# Altium PCB Evaluation Board.PcbDoc (part 13 of 22) (continued)
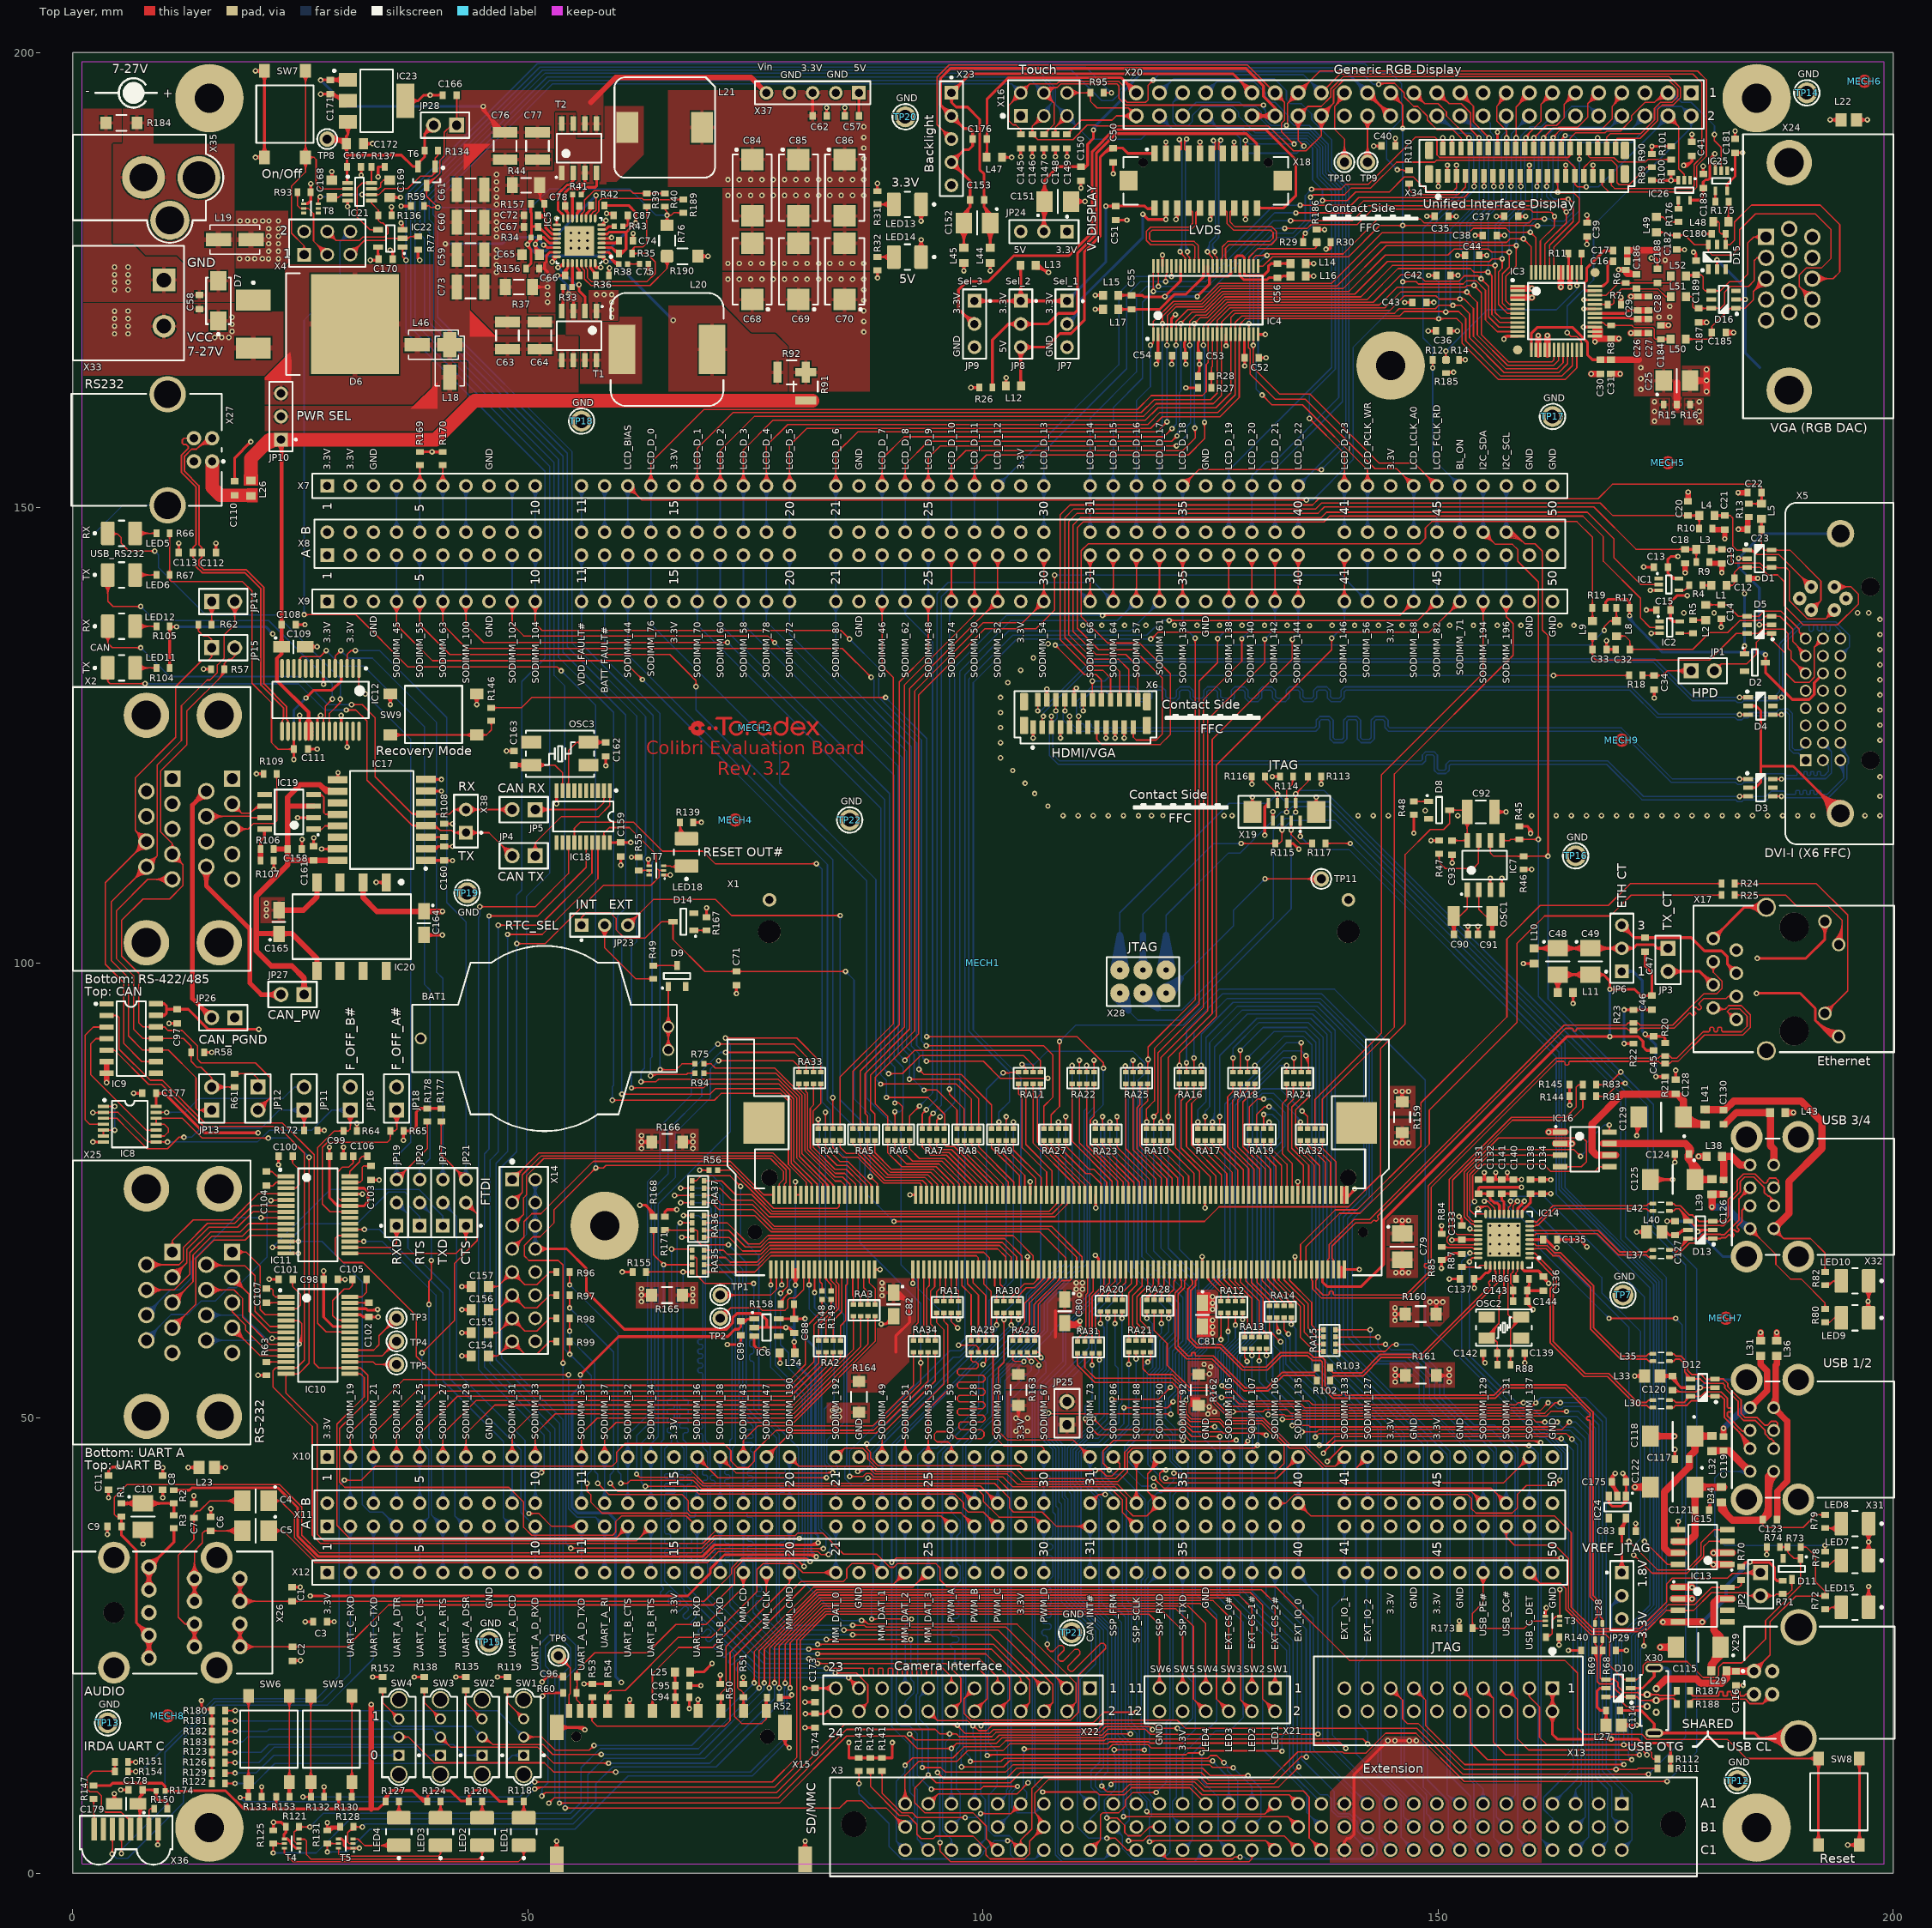
[diagram p0: Top Layer view]
## Nets (pads, with @x,y where several pads share a name; then routed paths per layer and width w, separated by ;. In a path a pad name is that pad's centre, name@x,y a point inside that pad or via, vN(x,y) a via of type N, cw(c..) or ccw(c..) an arc to the next point about the centre after c; other vN are vias at no path point) (continued)
NetLED2_K: LED2.K T4.3 | length 25.7
  Top Layer w0.15: T4.3@24.818,3.751 24.836,3.734 25.476,3.734 25.679,3.531 25.679,2.032 26.162,1.549 44.552,1.549 44.958,1.956 ; T4.3@25.006,3.804 ccw(c25.177,3.974) 25.177,3.734 ; LED2.K@44.645,2.474 cw(c44.373,1.956) 44.958,1.956 ; LED2.K@44.714,2.607 cw(c44.503,2.204) 44.958,2.204 cw(c45.413,2.204) LED2.K@45.202,2.607 ; LED2.K@44.958,3.072 44.958,1.956 ; LED2.K@45.271,2.474 ccw(c45.543,1.956) 44.958,1.956
NetLED3_A: LED3.A R124.1 | length 8.7
  Top Layer w0.15: LED3.A@39.909,6.549 ccw(c38.756,7.702) 40.386,7.702 ccw(c42.016,7.702) LED3.A@40.863,6.549 ; LED3.A@40.015,6.443 ccw(c39.119,7.339) 40.386,7.339 ccw(c41.653,7.339) LED3.A@40.757,6.443 ; LED3.A@40.121,6.337 ccw(c39.481,6.977) 40.386,6.977 ccw(c41.291,6.977) LED3.A@40.651,6.337 ; R124.1@40.209,7.597 cw(c39.782,7.17) 40.386,7.17 cw(c40.99,7.17) R124.1@40.563,7.597 ; LED3.A@40.386,6.072 R124.1@40.386,7.874
NetLED3_K: LED3.K T5.6 | length 14.2
  Top Layer w0.15: T5.6@29.129,2.698 cw(c29.001,2.57) 29.182,2.57 cw(c29.363,2.57) T5.6@29.235,2.698 ; T5.6@29.182,2.751 29.182,2.085 29.413,1.854 40.132,1.854 40.386,2.108 ; LED3.K@40.155,2.438 cw(c40.035,2.108) 40.386,2.108 ; LED3.K@40.386,3.072 40.386,2.108 ; LED3.K@40.617,2.438 ccw(c40.737,2.108) 40.386,2.108
NetLED4_A: LED4.A R127.1 | length 8.7
  Top Layer w0.15: LED4.A@35.337,6.549 ccw(c34.184,7.702) 35.814,7.702 ccw(c37.444,7.702) LED4.A@36.291,6.549 ; LED4.A@35.443,6.443 ccw(c34.547,7.339) 35.814,7.339 ccw(c37.081,7.339) LED4.A@36.185,6.443 ; LED4.A@35.549,6.337 ccw(c34.909,6.977) 35.814,6.977 ccw(c36.719,6.977) LED4.A@36.079,6.337 ; R127.1@35.637,7.597 cw(c35.21,7.17) 35.814,7.17 cw(c36.418,7.17) R127.1@35.991,7.597 ; LED4.A@35.814,6.072 R127.1@35.814,7.874
NetLED4_K: LED4.K T5.3 | length 11.6
  Top Layer w0.15: T5.3@30.762,3.751 31.326,3.751 32.055,3.023 LED4.K@35.814,3.023 ; T5.3@30.95,3.698 cw(c31.078,3.57) 31.078,3.751 cw(c31.078,3.932) T5.3@30.95,3.804 ; 33.515,3.023 ccw(c33.515,4.821) LED4.K@34.787,3.549 ; 33.754,3.023 cw(c33.754,1.562) LED4.K@34.787,2.595 ; 33.877,3.023 ccw(c33.877,4.459) LED4.K@34.893,3.443 ; 34.116,3.023 cw(c34.116,1.924) LED4.K@34.893,2.701 ; 34.239,3.023 ccw(c34.239,4.097) LED4.K@34.999,3.337 ; 34.478,3.023 cw(c34.478,2.286) LED4.K@34.999,2.807
NetLED5_A: LED5.A R66.1 | length 9.3
  Top Layer w0.15: LED5.A@6.834,147.187 R66.1@9.181,147.187 ; LED5.A@7.099,146.922 cw(c7.739,146.282) 7.739,147.187 cw(c7.739,148.092) LED5.A@7.099,147.452 ; LED5.A@7.205,146.816 cw(c8.101,145.919) 8.101,147.187 cw(c8.101,148.454) LED5.A@7.205,147.558 ; LED5.A@7.311,146.71 cw(c8.464,145.557) 8.464,147.187 cw(c8.464,148.816) LED5.A@7.311,147.664 ; R66.1@9.004,147.01 ccw(c8.577,146.583) 8.577,147.187 ccw(c8.577,147.79) R66.1@9.004,147.364
NetLED6_A: LED6.A R67.1 | length 9.3
  Top Layer w0.15: LED6.A@6.834,142.615 R67.1@9.181,142.615 ; LED6.A@7.099,142.35 cw(c7.739,141.71) 7.739,142.615 cw(c7.739,143.52) LED6.A@7.099,142.88 ; LED6.A@7.205,142.244 cw(c8.101,141.347) 8.101,142.615 cw(c8.101,143.882) LED6.A@7.205,142.986 ; LED6.A@7.311,142.138 cw(c8.464,140.985) 8.464,142.615 cw(c8.464,144.244) LED6.A@7.311,143.092 ; R67.1@9.004,142.438 ccw(c8.577,142.011) 8.577,142.615 ccw(c8.577,143.218) R67.1@9.004,142.792
NetLED7_A: LED7.A R78.1 | length 2.9
  Top Layer w0.15: R78.1@192.503,33.884 193.023,33.884 ; R78.1@192.823,33.765 cw(c193.023,33.657) 193.023,33.884 ; R78.1@192.823,34.003 ccw(c193.023,34.111) 193.023,33.884 ; LED7.A@193.629,34.242 ccw(c193.494,34.218) 193.494,34.355 ; LED7.A@193.629,34.469 cw(c193.494,34.492) 193.494,34.355 ; LED7.A@194.294,34.355 193.494,34.355 ; 193.023,33.884 193.494,34.355
NetLED8_A: LED8.A R79.1 | length 8.3
  Top Layer w0.15: R79.1@192.78,37.748 cw(c193.207,37.321) 193.207,37.925 cw(c193.207,38.529) R79.1@192.78,38.102 ; R79.1@192.855,37.925 ccw(c192.855,39.285) LED8.A@193.817,38.323 ; R79.1@192.859,37.925 cw(c192.859,36.444) LED8.A@193.919,37.479 ; 193.216,37.925 cw(c193.216,36.792) LED8.A@194.026,37.584 ; 193.217,37.925 ccw(c193.217,38.923) LED8.A@193.923,38.217 ; LED8.A@193.811,37.374 ccw(c192.503,36.096) R79.1@192.503,37.925 193.823,37.925 LED8.A@194.294,38.396
NetLED9_A: LED9.A R80.1 | length 2.8
  Top Layer w0.15: R80.1@192.503,60.531 193.048,60.531 ; R80.1@192.817,60.401 cw(c193.048,60.26) 193.048,60.531 ; R80.1@192.817,60.661 ccw(c193.048,60.802) 193.048,60.531 ; LED9.A@193.625,60.909 ccw(c193.519,60.895) 193.519,61.002 ; LED9.A@193.625,61.095 cw(c193.519,61.109) 193.519,61.002 ; LED9.A@194.294,61.002 193.519,61.002 ; 193.048,60.531 193.519,61.002
NetLED10_A: LED10.A R82.1 | length 4.9
  Top Layer w0.15: R82.1@192.503,64.595 192.972,64.595 ; R82.1@192.592,64.546 ccw(c192.703,65.036) 193.058,64.681 ; R82.1@192.625,64.693 ccw(c192.773,65.35) 193.25,64.874 ; R82.1@192.658,64.839 ccw(c192.844,65.664) 193.443,65.066 ; R82.1@192.835,64.502 cw(c192.972,64.448) 192.972,64.595 ; R82.1@192.835,64.688 ccw(c192.972,64.742) 192.972,64.595 ; LED10.A@193.637,64.912 ccw(c193.443,64.867) 193.443,65.066 ; LED10.A@193.637,65.22 cw(c193.443,65.265) 193.443,65.066 ; LED10.A@194.294,65.066 193.443,65.066 ; 192.972,64.595 193.443,65.066
NetLED11_A: LED11.A R104.2 | length 9.3
  Top Layer w0.15: LED11.A@6.834,132.404 R104.2@9.181,132.404 ; LED11.A@7.099,132.139 cw(c7.739,131.499) 7.739,132.404 cw(c7.739,133.309) LED11.A@7.099,132.669 ; LED11.A@7.205,132.033 cw(c8.101,131.137) 8.101,132.404 cw(c8.101,133.672) LED11.A@7.205,132.775 ; LED11.A@7.311,131.927 cw(c8.464,130.774) 8.464,132.404 cw(c8.464,134.034) LED11.A@7.311,132.881 ; R104.2@9.004,132.227 ccw(c8.577,131.801) 8.577,132.404 ccw(c8.577,133.008) R104.2@9.004,132.581
NetLED12_A: LED12.A R105.2 | length 9.3
  Top Layer w0.15: LED12.A@6.834,136.976 R105.2@9.181,136.976 ; LED12.A@7.099,136.711 cw(c7.739,136.071) 7.739,136.976 cw(c7.739,137.881) LED12.A@7.099,137.241 ; LED12.A@7.205,136.605 cw(c8.101,135.709) 8.101,136.976 cw(c8.101,138.244) LED12.A@7.205,137.347 ; LED12.A@7.311,136.499 cw(c8.464,135.346) 8.464,136.976 cw(c8.464,138.606) LED12.A@7.311,137.453 ; R105.2@9.004,136.799 ccw(c8.577,136.373) 8.577,136.976 ccw(c8.577,137.58) R105.2@9.004,137.153
NetLED13_A: LED13.A R31.2 | length 8.7
  Top Layer w0.15: R31.2@88.392,183.326 LED13.A@90.194,183.326 ; R31.2@88.669,183.149 cw(c89.096,182.722) 89.096,183.326 cw(c89.096,183.93) R31.2@88.669,183.503 ; LED13.A@89.717,182.849 ccw(c88.564,181.696) 88.564,183.326 ccw(c88.564,184.956) LED13.A@89.717,183.803 ; LED13.A@89.823,182.955 ccw(c88.927,182.059) 88.927,183.326 ccw(c88.927,184.593) LED13.A@89.823,183.697 ; LED13.A@89.929,183.061 ccw(c89.289,182.421) 89.289,183.326 ccw(c89.289,184.231) LED13.A@89.929,183.591
NetLED14_A: LED14.A R32.2 | length 8.7
  Top Layer w0.15: R32.2@88.392,177.532 90.188,177.532 LED14.A@90.194,177.538 ; R32.2@88.549,177.532 ccw(c88.549,179.183) LED14.A@89.717,178.016 ; R32.2@88.579,177.532 cw(c88.579,175.924) LED14.A@89.717,177.061 ; R32.2@88.669,177.355 cw(c89.096,176.929) 89.096,177.532 cw(c89.096,178.136) R32.2@88.669,177.709 ; 88.912,177.532 ccw(c88.912,178.821) LED14.A@89.823,177.91 ; 88.941,177.532 cw(c88.941,176.286) LED14.A@89.823,177.167 ; 89.274,177.532 ccw(c89.274,178.459) LED14.A@89.929,177.804 ; 89.304,177.532 cw(c89.304,176.648) LED14.A@89.929,177.273
NetLED15_A: LED15.A R72.1 | length 5.8
  Top Layer w0.15: R72.1@192.503,28.993 192.993,28.993 ; R72.1@192.571,28.954 ccw(c192.762,29.188) 192.975,28.975 ; R72.1@192.666,29.071 ccw(c192.867,29.318) 193.092,29.092 ; R72.1@192.761,29.187 ccw(c192.973,29.447) 193.21,29.21 ; R72.1@192.83,28.889 cw(c192.993,28.814) 192.993,28.993 ; R72.1@192.83,29.097 ccw(c192.993,29.172) 192.993,28.993 ; LED15.A@193.688,28.912 ccw(c193.21,28.677) 193.21,29.21 ; LED15.A@193.688,29.508 cw(c193.21,29.743) 193.21,29.21 ; LED15.A@193.823,28.978 ccw(c193.451,28.796) 193.451,29.21 ccw(c193.451,29.624) LED15.A@193.823,29.442 ; LED15.A@194.294,29.21 193.21,29.21 ; 192.993,28.993 193.21,29.21
NetLED18_A: LED18.A R139.1 | length 8.9
  Top Layer w0.15: LED18.A@66.384,114.118 ccw(c65.655,114.848) 66.687,114.848 ; LED18.A@66.49,114.012 ccw(c66.017,114.486) 66.687,114.486 ; R139.1@66.51,115.166 cw(c66.083,114.739) 66.687,114.739 cw(c67.29,114.739) R139.1@66.863,115.166 ; 66.687,114.489 ccw(c67.56,114.489) LED18.A@67.005,113.815 ; 66.687,114.807 ccw(c67.822,114.807) LED18.A@67.1,113.93 ; R139.1@66.687,115.125 ccw(c68.084,115.125) LED18.A@67.195,114.046 ; LED18.A@67.291,114.162 cw(c68.347,115.443) R139.1@66.687,115.443 66.687,114.366 LED18.A@67.412,113.641
NetLED18_K: LED18.K T7.3 | length 5.1
  Top Layer w0.15: T7.3@64.9,110.663 65.638,110.663 65.761,110.541 ; T7.3@65.088,110.61 cw(c65.216,110.482) 65.216,110.663 cw(c65.216,110.844) T7.3@65.088,110.716 ; 65.974,110.541 ccw(c65.974,110.959) LED18.K@66.367,110.818 ; 66.048,110.541 cw(c66.048,110.074) LED18.K@66.431,110.341 ; LED18.K@66.226,110.869 cw(c65.761,111.035) 65.761,110.541 ; LED18.K@66.308,110.255 ccw(c65.761,109.874) 65.761,110.541 ; LED18.K@67.412,110.641 67.311,110.541 65.761,110.541
NetR3_2: R3.2 X26.2 X26.3 | length 25.5
  Top Layer w0.3: X26.3@7.855,31.62 ccw(c6.66,32.815) 8.35,32.815 ccw(c10.04,32.815) X26.3@8.845,31.62 ; X26.2@7.855,33.13 cw(c6.66,31.935) 8.35,31.935 cw(c10.04,31.935) X26.2@8.845,33.13 ; X26.2@7.951,33.05 cw(c7.566,32.495) 8.218,32.32 ; X26.2@8,33.018 cw(c7.513,32.175) 8.454,32.427 ; X26.3@8.067,31.408 ccw(c7.385,32.09) 8.35,32.09 ccw(c9.316,32.09) X26.3@8.633,31.408 ; X26.2@8.067,33.342 cw(c7.385,32.659) 8.35,32.659 cw(c9.316,32.659) X26.2@8.633,33.342 ; X26.2@8.122,33.296 cw(c7.824,32.868) 8.328,32.733 ; 8.246,32.427 cw(c9.187,32.175) X26.2@8.7,33.018 ; X26.3@8.35,31.125 X26.2@8.35,33.625 11.093,36.367 R3.2@11.093,37.883 ; X26.2@8.35,34.025 ccw(c8.35,34.99) 9.033,34.308 ccw(c9.716,33.625) X26.2@8.75,33.625 ; X26.2@8.35,34.325 ccw(c8.35,36.015) 9.545,34.82 ccw(c10.74,33.625) X26.2@9.05,33.625 ; 8.372,32.733 cw(c8.876,32.868) X26.2@8.578,33.296 ; 8.483,32.32 cw(c9.135,32.495) X26.2@8.75,33.05 ; R3.2@10.969,37.759 cw(c10.671,37.46) 11.093,37.46 cw(c11.516,37.46) R3.2@11.217,37.759
NetR24_2: R24.2 X17.10 | length 32.6
  Top Layer w0.15: R24.2@182.589,108.712 191.538,108.712 194.985,105.265 194.985,96.937 X17.10@192.49,94.442 ; R24.2@182.766,108.535 cw(c183.193,108.109) 183.193,108.712 cw(c183.193,109.316) R24.2@182.766,108.889 ; X17.10@192.49,94.817 ccw(c192.49,95.722) 193.13,95.082 ccw(c193.77,94.442) X17.10@192.865,94.442 ; X17.10@192.49,94.967 ccw(c192.49,96.234) 193.386,95.338 ccw(c194.283,94.442) X17.10@193.015,94.442 ; X17.10@192.49,95.117 ccw(c192.49,96.746) 193.642,95.594 ccw(c194.795,94.442) X17.10@193.165,94.442
NetR25_2: R25.2 X17.11 | length 26.6
  Top Layer w0.15: R25.2@182.589,107.442 188.191,107.442 189.431,106.202 192.848,106.202 194.4,104.65 194.4,102.402 X17.11@194.01,102.012 ; R25.2@182.766,107.265 cw(c183.193,106.839) 183.193,107.442 cw(c183.193,108.046) R25.2@182.766,107.619 ; X17.11@193.533,102.489 ccw(c191.439,104.583) 194.4,104.583 ; X17.11@193.639,102.383 ccw(c191.801,104.221) 194.4,104.221 ; X17.11@193.745,102.277 ccw(c192.164,103.858) 194.4,103.858 ; X17.11@193.851,102.171 ccw(c192.526,103.496) 194.4,103.496 ; X17.11@193.957,102.065 ccw(c192.888,103.134) 194.4,103.134 ; X17.11@194.063,101.959 ccw(c193.25,102.772) 194.4,102.772 ; 194.4,102.7 ccw(c194.698,102.7) X17.11@194.487,102.489
NetR33_2: R33.2 T1.4 | length 3.7
  Top Layer w0.3: T1.4@53.615,172.216 ccw(c53.052,172.779) 53.848,172.779 ; T1.4@53.721,171.61 53.848,171.737 53.848,174.216 R33.2@53.876,174.244 ; 53.848,173.826 cw(c54.269,173.826) R33.2@53.971,174.124
NetR41_2: R41.2 T2.4 | length 4.7
  Top Layer w0.3: R41.2@55.852,184.404 55.852,184.554 56.502,185.204 57.391,185.204 57.531,185.344 T2.4@57.531,186.784 ; R41.2@55.987,184.429 cw(c56.614,184.429) 56.171,184.873 ; T2.4@57.425,186.178 cw(c57.169,185.922) 57.531,185.922 cw(c57.893,185.922) T2.4@57.637,186.178
NetR89_1: R89.1 R90.2 X34.33 | length 13.5
  Top Layer w0.15: X34.33@165.877,187.087 ccw(c165.654,187.372) 166.016,187.372 ; X34.33@166.016,186.46 166.016,187.372 ; X34.33@166.155,187.087 cw(c166.378,187.372) 166.016,187.372 ; R89.1@173.482,187.415 172.923,187.415 ; 166.016,187.372 166.799,188.155 169.071,188.155 169.647,187.579 169.647,185.728 169.89,185.485 170.993,185.485 172.923,187.415 ; 172.923,187.415 ccw(c172.923,187.711) 173.172,187.55 cw(c172.923,187.711) 172.923,187.415 ; 172.923,187.415 cw(c172.923,187.119) 173.172,187.28 ccw(c172.923,187.119) 172.923,187.415
NetR100_1: R100.1 R101.1 X34.34 | length 12.4
  Top Layer w0.15: X34.34@166.406,188.814 cw(c166.302,188.627) 166.516,188.627 ; X34.34@166.516,189.46 166.516,188.627 ; X34.34@166.626,188.814 ccw(c166.73,188.627) 166.516,188.627 ; R100.1@175.358,188.265 R100.1@175.372,188.251 ; R100.1@175.372,188.265 173.05,188.265 172.76,187.975 169.8,187.975 169.32,188.455 166.688,188.455 166.516,188.627 ; 174.889,188.265 cw(c174.889,187.614) 175.349,188.074 ccw(c174.889,187.614) 174.889,188.265 ; 174.956,188.265 ccw(c174.956,188.821) 175.349,188.428 cw(c174.956,188.821) 174.956,188.265
NetR109_1: R109.1 X2.U3 | length 17.7
  Top Layer w0.15: X2.U3@17.501,114.709 19.259,114.709 ; X2.U3@17.904,114.374 cw(c18.62,113.779) 18.62,114.709 cw(c18.62,115.64) X2.U3@17.904,115.045 ; X2.U3@18.02,114.278 cw(c18.939,113.513) 18.939,114.709 cw(c18.939,115.905) X2.U3@18.02,115.141 ; X2.U3@18.135,114.182 cw(c19.259,113.247) 19.259,114.709 ; X2.U3@18.135,115.237 ccw(c19.259,116.171) 19.259,114.709 ; R109.1@22.223,120.498 cw(c21.796,120.071) 22.4,120.071 cw(c23.004,120.071) R109.1@22.577,120.498 ; R109.1@22.4,120.775 22.4,115.625 22.1,115.325 19.875,115.325 19.259,114.709
NetR110_2: R110.2 X34.7 | length 10.5
  Top Layer w0.15: R110.2@146.635,185.422 cw(c146.208,184.995) 146.812,184.995 cw(c147.416,184.995) R110.2@146.989,185.422 ; R110.2@146.812,185.599 146.812,184.912 147.32,184.404 152.171,184.404 153.016,185.249 X34.7@153.016,186.46 ; X34.7@152.857,185.851 cw(c152.473,185.467) 153.016,185.467 cw(c153.559,185.467) X34.7@153.175,185.851
NetR119_1: R119.1 SW1.3 | length 8.2
  Top Layer w0.15: R119.1@47.575,19.926 cw(c47.148,19.499) 47.752,19.499 cw(c48.356,19.499) R119.1@47.929,19.926 ; R119.1@47.752,20.103 47.752,18.732 SW1.3@49.53,16.954 ; SW1.3@49.005,16.954 ccw(c47.738,16.954) 48.634,17.85 ccw(c49.53,18.746) SW1.3@49.53,17.479 ; SW1.3@49.155,16.954 ccw(c48.25,16.954) 48.89,17.594 ccw(c49.53,18.234) SW1.3@49.53,17.329
NetR122_2: R122.2 SW1.1 | length 40.1
  Top Layer w0.15: R122.2@16.711,9.859 v1(17.816,9.859) ; R122.2@16.888,9.682 cw(c17.315,9.255) 17.315,9.859 cw(c17.315,10.462) R122.2@16.888,10.036 ; v1@17.657,9.7 ccw(c17.273,9.316) 17.273,9.859 ccw(c17.273,10.402) v1@17.657,10.018
  Bottom Layer w0.15: v1(17.816,9.859) 19.984,9.859 22.175,12.05 47.381,12.05 48.285,12.954 ; v1@17.975,9.7 cw(c18.359,9.316) 18.359,9.859 cw(c18.359,10.402) v1@17.975,10.018 ; SW1.1@49.154,12.588 ccw(c48.285,11.741) 48.285,12.954 ; SW1.1@49.154,13.32 cw(c48.285,14.167) 48.285,12.954 ; SW1.1@49.261,12.692 ccw(c48.641,12.088) 48.641,12.954 ccw(c48.641,13.82) SW1.1@49.261,13.216 ; SW1.1@49.53,12.954 48.285,12.954
NetR123_2: R123.2 SW2.1 | length 35.2
  Top Layer w0.15: R123.2@16.711,13.287 v1(17.816,13.287) ; R123.2@16.888,13.11 cw(c17.315,12.683) 17.315,13.287 cw(c17.315,13.89) R123.2@16.888,13.463 ; v1@17.657,13.127 ccw(c17.273,12.743) 17.273,13.287 ccw(c17.273,13.83) v1@17.657,13.446
  Bottom Layer w0.15: v1(17.816,13.287) 20.662,13.287 21.504,14.129 41.825,14.129 43,12.954 SW2.1@44.958,12.954 ; v1@17.975,13.127 cw(c18.359,12.743) 18.359,13.287 cw(c18.359,13.83) v1@17.975,13.446 ; SW2.1@44.587,12.583 ccw(c43.691,11.687) 43.691,12.954 ccw(c43.691,14.221) SW2.1@44.587,13.325 ; SW2.1@44.693,12.689 ccw(c44.053,12.049) 44.053,12.954 ccw(c44.053,13.859) SW2.1@44.693,13.219
NetR126_2: R126.2 SW3.1 | length 30.8
  Top Layer w0.15: R126.2@16.711,12.144 v1(17.816,12.144) ; R126.2@16.888,11.967 cw(c17.315,11.54) 17.315,12.144 cw(c17.315,12.748) R126.2@16.888,12.321 ; v1@17.657,11.985 ccw(c17.273,11.601) 17.273,12.144 ccw(c17.273,12.687) v1@17.657,12.303
  Bottom Layer w0.15: v1(17.816,12.144) 20.419,12.144 22.104,13.829 37.621,13.829 38.496,12.954 SW3.1@40.386,12.954 ; v1@17.975,11.985 cw(c18.359,11.601) 18.359,12.144 cw(c18.359,12.687) v1@17.975,12.303 ; SW3.1@40.015,12.583 ccw(c39.119,11.687) 39.119,12.954 ccw(c39.119,14.221) SW3.1@40.015,13.325 ; SW3.1@40.121,12.689 ccw(c39.481,12.049) 39.481,12.954 ccw(c39.481,13.859) SW3.1@40.121,13.219
NetR129_2: R129.2 SW4.1 | length 26
  Top Layer w0.15: R129.2@16.711,11.001 v1(17.816,11.001) ; R129.2@16.888,10.825 cw(c17.315,10.398) 17.315,11.001 cw(c17.315,11.605) R129.2@16.888,11.178 ; v1@17.657,10.842 ccw(c17.273,10.458) 17.273,11.001 ccw(c17.273,11.545) v1@17.657,11.161
  Bottom Layer w0.15: v1(17.816,11.001) 20.126,11.001 22.079,12.954 SW4.1@35.814,12.954 ; v1@17.975,10.842 cw(c18.359,10.458) 18.359,11.001 cw(c18.359,11.545) v1@17.975,11.161 ; SW4.1@35.443,12.583 ccw(c34.547,11.687) 34.547,12.954 ccw(c34.547,14.221) SW4.1@35.443,13.325 ; SW4.1@35.549,12.689 ccw(c34.909,12.049) 34.909,12.954 ccw(c34.909,13.859) SW4.1@35.549,13.219
NetR130_1: R130.1 SW5.1 SW5.2 | length 24.2
  Top Layer w0.15: SW5.1@30.276,9.461 cw(c29.379,8.565) 30.647,8.565 cw(c31.914,8.565) SW5.1@31.018,9.461 ; SW5.1@30.276,10.503 ccw(c29.379,11.399) 30.647,11.399 ccw(c31.914,11.399) SW5.1@31.018,10.503 ; SW5.2@30.276,18.961 cw(c29.379,18.065) 30.647,18.065 cw(c31.914,18.065) SW5.2@31.018,18.961 ; SW5.1@30.382,9.567 cw(c29.742,8.927) 30.647,8.927 cw(c31.552,8.927) SW5.1@30.912,9.567 ; SW5.1@30.382,10.397 ccw(c29.742,11.037) 30.647,11.037 ccw(c31.552,11.037) SW5.1@30.912,10.397 ; SW5.2@30.382,19.067 cw(c29.742,18.427) 30.647,18.427 cw(c31.552,18.427) SW5.2@30.912,19.067 ; R130.1@30.429,8.607 ccw(c29.841,8.947) 30.497,9.123 ; R130.1@30.469,8.659 ccw(c30.04,9.088) 30.647,9.088 ; R130.1@30.521,8.698 ccw(c30.254,9.161) 30.77,9.023 ; 30.525,9.019 ccw(c31.035,9.155) R130.1@30.771,8.698 ; R130.1@30.646,8.382 30.647,8.383 SW5.1@30.647,9.982 SW5.2@30.647,19.482 ; 30.647,9.083 ccw(c31.247,9.083) R130.1@30.823,8.659 ; 30.795,9.118 ccw(c31.446,8.944) R130.1@30.862,8.607
NetR135_1: R135.1 SW2.3 | length 8.2
  Top Layer w0.15: R135.1@43.003,19.926 cw(c42.576,19.499) 43.18,19.499 cw(c43.784,19.499) R135.1@43.357,19.926 ; R135.1@43.18,20.103 43.18,18.732 SW2.3@44.958,16.954 ; SW2.3@44.433,16.954 ccw(c43.166,16.954) 44.062,17.85 ccw(c44.958,18.746) SW2.3@44.958,17.479 ; SW2.3@44.583,16.954 ccw(c43.678,16.954) 44.318,17.594 ccw(c44.958,18.234) SW2.3@44.958,17.329
NetR138_1: R138.1 SW3.3 | length 8.2
  Top Layer w0.15: R138.1@38.431,19.926 cw(c38.004,19.499) 38.608,19.499 cw(c39.212,19.499) R138.1@38.785,19.926 ; R138.1@38.608,20.103 38.608,18.732 SW3.3@40.386,16.954 ; SW3.3@39.861,16.954 ccw(c38.594,16.954) 39.49,17.85 ccw(c40.386,18.746) SW3.3@40.386,17.479 ; SW3.3@40.011,16.954 ccw(c39.106,16.954) 39.746,17.594 ccw(c40.386,18.234) SW3.3@40.386,17.329
NetR147_2: R147.2 X36.1 | length 5.2
  Top Layer w0.15: R147.2@2.101,7.988 cw(c1.674,7.561) 2.278,7.561 cw(c2.882,7.561) R147.2@2.455,7.988 ; X36.1@2.183,5.935 ccw(c1.799,6.319) 2.342,6.319 ccw(c2.885,6.319) X36.1@2.501,5.935 ; R147.2@2.278,8.165 2.278,6.522 2.342,6.458 X36.1@2.342,4.826
NetR150_2: R150.2 X36.7 | length 4.1
  Top Layer w0.15: X36.7@8.183,5.935 ccw(c7.779,6.339) 8.35,6.339 ; X36.7@8.342,4.826 8.35,4.834 8.35,6.95 ; 8.35,6.3 ccw(c8.866,6.3) X36.7@8.501,5.935 ; 8.35,6.925 8.512,7.087 ; R150.2@8.706,6.97 ccw(c8.512,6.868) 8.512,7.087 ; R150.2@8.706,7.204 cw(c8.512,7.306) 8.512,7.087 ; R150.2@8.927,7.087 8.512,7.087
NetR152_1: R152.1 SW4.3 | length 8.2
  Top Layer w0.15: R152.1@33.859,19.926 cw(c33.432,19.499) 34.036,19.499 cw(c34.64,19.499) R152.1@34.213,19.926 ; R152.1@34.036,20.103 34.036,18.732 SW4.3@35.814,16.954 ; SW4.3@35.289,16.954 ccw(c34.022,16.954) 34.918,17.85 ccw(c35.814,18.746) SW4.3@35.814,17.479 ; SW4.3@35.439,16.954 ccw(c34.534,16.954) 35.174,17.594 ccw(c35.814,18.234) SW4.3@35.814,17.329
NetR153_1: R153.1 SW6.1 SW6.2 | length 24.2
  Top Layer w0.15: SW6.1@23.418,9.461 cw(c22.521,8.565) 23.789,8.565 cw(c25.056,8.565) SW6.1@24.16,9.461 ; SW6.1@23.418,10.503 ccw(c22.521,11.399) 23.789,11.399 ccw(c25.056,11.399) SW6.1@24.16,10.503 ; SW6.2@23.418,18.961 cw(c22.521,18.065) 23.789,18.065 cw(c25.056,18.065) SW6.2@24.16,18.961 ; SW6.1@23.524,9.567 cw(c22.884,8.927) 23.789,8.927 cw(c24.694,8.927) SW6.1@24.054,9.567 ; SW6.1@23.524,10.397 ccw(c22.884,11.037) 23.789,11.037 ccw(c24.694,11.037) SW6.1@24.054,10.397 ; SW6.2@23.524,19.067 cw(c22.884,18.427) 23.789,18.427 cw(c24.694,18.427) SW6.2@24.054,19.067 ; R153.1@23.571,8.607 ccw(c22.983,8.947) 23.639,9.123 ; R153.1@23.611,8.659 ccw(c23.182,9.088) 23.789,9.088 ; R153.1@23.663,8.699 ccw(c23.396,9.161) 23.912,9.023 ; 23.667,9.019 ccw(c24.177,9.155) R153.1@23.913,8.699 ; R153.1@23.788,8.382 23.789,8.383 SW6.1@23.789,9.982 SW6.2@23.789,19.482 ; 23.789,9.083 ccw(c24.389,9.083) R153.1@23.965,8.659 ; 23.937,9.118 ccw(c24.588,8.944) R153.1@24.004,8.607
NetR158_2: R158.2 X1.10 X1.12 | length 22.1
  Top Layer w0.15: R158.2@77.711,62.584 cw(c78.297,62.584) 77.883,62.998 ; R158.2@77.761,62.484 77.761,62.877 78.74,63.856 v1(78.74,63.881) ; R158.2@77.861,62.584 cw(c78.809,62.584) 78.139,63.254 ; R158.2@78.011,62.584 cw(c79.321,62.584) 78.395,63.51 ; 78.338,63.454 ccw(c77.91,63.881) v1@78.515,63.881 ; 78.399,63.515 cw(c78.74,63.174) v1@78.74,63.656 ; X1.10@79.311,75.412 ccw(c79.141,75.583) 79.382,75.583 ccw(c79.623,75.583) X1.10@79.453,75.412 ; v1(79.375,75.95) 79.382,75.943 X1.10@79.382,74.516 X1.12@79.982,74.516 ; X1.10@79.453,74.446 cw(c79.623,74.275) 79.623,74.516 cw(c79.623,74.758) X1.10@79.453,74.587 ; X1.12@79.911,74.446 ccw(c79.741,74.275) 79.741,74.516 ccw(c79.741,74.758) X1.12@79.911,74.587
  Bottom Layer w0.15: v1@78.581,64.04 ccw(c78.197,64.424) 78.74,64.424 ccw(c79.283,64.424) v1@78.899,64.04 ; v1(78.74,63.881) 78.74,65.024 79.375,65.659 v1(79.375,75.95) ; v1@79.216,75.791 cw(c78.832,75.407) 79.375,75.407 cw(c79.918,75.407) v1@79.534,75.791
NetR169_1: R169.1 X7.5 X8.B5 | length 26.2
  Top Layer w0.15: X7.5@37.623,152.877 ccw(c36.409,154.091) 38.125,154.091 ; X7.5@37.729,152.771 ccw(c36.771,153.729) 38.125,153.729 ; X7.5@37.835,152.665 ccw(c37.133,153.367) 38.125,153.367 ; R169.1@37.949,154.495 cw(c37.522,154.069) 38.125,154.069 cw(c38.729,154.069) R169.1@38.302,154.495 ; X7.5@38.1,152.4 38.125,152.425 R169.1@38.125,154.672 ; 38.125,153.244 ccw(c38.944,153.244) X7.5@38.365,152.665 ; 38.125,153.606 ccw(c39.306,153.606) X7.5@38.471,152.771 ; 38.125,153.968 ccw(c39.668,153.968) X7.5@38.577,152.877
  Bottom Layer w0.15: X8.B5@37.623,147.797 ccw(c36.47,148.95) 38.1,148.95 ccw(c39.73,148.95) X8.B5@38.577,147.797 ; X7.5@37.623,151.923 cw(c36.47,150.77) 38.1,150.77 cw(c39.73,150.77) X7.5@38.577,151.923 ; X8.B5@37.729,147.691 ccw(c36.833,148.587) 38.1,148.587 ccw(c39.367,148.587) X8.B5@38.471,147.691 ; X7.5@37.729,152.029 cw(c36.833,151.133) 38.1,151.133 cw(c39.367,151.133) X7.5@38.471,152.029 ; X8.B5@37.835,147.585 ccw(c37.195,148.225) 38.1,148.225 ccw(c39.005,148.225) X8.B5@38.365,147.585 ; X7.5@37.835,152.135 cw(c37.195,151.495) 38.1,151.495 cw(c39.005,151.495) X7.5@38.365,152.135 ; X8.B5@38.1,147.32 X7.5@38.1,152.4
NetR170_1: R170.1 X7.6 X8.B6 | length 26.2
  Top Layer w0.15: X7.6@40.163,152.877 ccw(c39.01,154.03) 40.64,154.03 ccw(c42.27,154.03) X7.6@41.117,152.877 ; X7.6@40.269,152.771 ccw(c39.373,153.667) 40.64,153.667 ccw(c41.907,153.667) X7.6@41.011,152.771 ; X7.6@40.375,152.665 ccw(c39.735,153.305) 40.64,153.305 ccw(c41.545,153.305) X7.6@40.905,152.665 ; R170.1@40.463,154.495 cw(c40.036,154.069) 40.64,154.069 cw(c41.244,154.069) R170.1@40.817,154.495 ; X7.6@40.64,152.4 R170.1@40.64,154.672
  Bottom Layer w0.15: X8.B6@40.163,147.797 ccw(c39.01,148.95) 40.64,148.95 ccw(c42.27,148.95) X8.B6@41.117,147.797 ; X7.6@40.163,151.923 cw(c39.01,150.77) 40.64,150.77 cw(c42.27,150.77) X7.6@41.117,151.923 ; X8.B6@40.269,147.691 ccw(c39.373,148.587) 40.64,148.587 ccw(c41.907,148.587) X8.B6@41.011,147.691 ; X7.6@40.269,152.029 cw(c39.373,151.133) 40.64,151.133 cw(c41.907,151.133) X7.6@41.011,152.029 ; X8.B6@40.375,147.585 ccw(c39.735,148.225) 40.64,148.225 ccw(c41.545,148.225) X8.B6@40.905,147.585 ; X7.6@40.375,152.135 cw(c39.735,151.495) 40.64,151.495 cw(c41.545,151.495) X7.6@40.905,152.135 ; X8.B6@40.64,147.32 X7.6@40.64,152.4
NetR184_1: R184.1 X33.1 X35.3
  other v1: 4.572,173.946 6.052,173.947 4.572,174.775 6.052,174.776 4.572,175.604 6.052,175.605 4.572,176.433 6.052,176.434
NetTP6_1: TP6.1 X15.11 | length 14.7
  Top Layer w0.15: TP6.1@53.34,23.876 54.65,22.566 ; TP6.1@53.344,23.251 cw(c53.355,21.778) 54.396,22.82 cw(c55.438,23.861) TP6.1@53.965,23.872 ; TP6.1@53.343,23.401 cw(c53.351,22.282) 54.143,23.073 cw(c54.934,23.865) TP6.1@53.815,23.873 ; TP6.1@53.345,23.101 cw(c53.358,21.274) 54.65,22.566 ; TP6.1@54.115,23.871 ccw(c55.942,23.858) 54.65,22.566 ; X15.11@54.322,18.402 ccw(c53.852,18.872) 54.516,18.872 ccw(c55.18,18.872) X15.11@54.71,18.402 ; X15.11@54.516,17.808 54.516,19.591 54.65,19.725 54.65,22.566
NetTP9_1: TP9.1 X20.30 | length 19
  Top Layer w0.15: TP9.1@141.692,188.508 ccw(c140.369,189.831) 142.24,189.831 ccw(c144.111,189.831) TP9.1@142.788,188.508 ; X20.30@141.71,192.51 cw(c140.429,191.229) 142.24,191.229 cw(c144.051,191.229) X20.30@142.77,192.51 ; TP9.1@141.798,188.402 ccw(c140.731,189.469) 142.24,189.469 ccw(c143.749,189.469) TP9.1@142.682,188.402 ; X20.30@141.816,192.616 cw(c140.791,191.591) 142.24,191.591 cw(c143.689,191.591) X20.30@142.664,192.616 ; TP9.1@141.904,188.296 ccw(c141.093,189.107) 142.24,189.107 ccw(c143.387,189.107) TP9.1@142.576,188.296 ; X20.30@141.922,192.722 cw(c141.154,191.954) 142.24,191.954 cw(c143.326,191.954) X20.30@142.558,192.722 ; TP9.1@142.24,187.96 X20.30@142.24,193.04
NetTP10_1: TP10.1 X20.31 | length 21.6
  Top Layer w0.15: 138.83,194.27 ccw(c138.009,195.09) X20.31@139.124,195.413 ; X20.31@138.98,195.371 cw(c137.73,195.01) 138.65,194.09 ; 139.009,194.449 ccw(c138.287,195.171) X20.31@139.268,195.455 ; TP10.1@139.152,188.508 ccw(c137.829,189.831) 139.7,189.831 ccw(c141.571,189.831) TP10.1@140.248,188.508 ; 139.171,194.611 cw(c139.7,194.082) X20.31@139.7,194.83 ; 139.189,194.629 ccw(c138.566,195.251) X20.31@139.412,195.497 ; TP10.1@139.258,188.402 ccw(c138.191,189.469) 139.7,189.469 ccw(c141.209,189.469) TP10.1@140.142,188.402 ; TP10.1@139.364,188.296 ccw(c138.553,189.107) 139.7,189.107 ccw(c140.847,189.107) TP10.1@140.036,188.296 ; 139.368,194.808 ccw(c138.844,195.332) X20.31@139.556,195.538 ; TP10.1@139.7,187.96 139.7,190.5 138.65,191.55 138.65,194.09 ; X20.31@139.7,195.58 139.7,195.14 138.65,194.09
NetTP11_1: TP11.1 X28.6 | length 34.7
  Top Layer w0.15: v1(130.975,109.225) 137.155,109.225 TP11.1@137.16,109.22 ; v1@131.134,109.066 cw(c131.518,108.682) 131.518,109.225 cw(c131.518,109.768) v1@131.134,109.384 ; 135.277,109.225 cw(c135.277,107.337) TP11.1@136.612,108.672 ; 135.301,109.225 ccw(c135.301,111.079) TP11.1@136.612,109.768 ; 135.639,109.225 cw(c135.639,107.699) TP11.1@136.718,108.778 ; 135.663,109.225 ccw(c135.663,110.717) TP11.1@136.718,109.662 ; 136.001,109.225 cw(c136.001,108.061) TP11.1@136.824,108.884 ; 136.025,109.225 ccw(c136.025,110.355) TP11.1@136.824,109.556
  Bottom Layer w0.15: 121.716,98.281 127.508,104.073 127.508,105.758 v1(130.975,109.225) ; v1@130.75,109.225 cw(c130.207,109.225) 130.591,108.841 cw(c130.975,108.457) v1@130.975,109
  Bottom Layer w0.7: X28.6@120.112,96.677 121.716,98.281 ; X28.6@120.112,97.377 ccw(c120.112,99.066) 121.307,97.871 ccw(c122.502,96.677) X28.6@120.812,96.677
NetX7_4: X7.4 X8.B4 | length 17
  Bottom Layer w0.15: X8.B4@35.083,147.797 ccw(c33.93,148.95) 35.56,148.95 ccw(c37.19,148.95) X8.B4@36.037,147.797 ; X7.4@35.083,151.923 cw(c33.93,150.77) 35.56,150.77 cw(c37.19,150.77) X7.4@36.037,151.923 ; X8.B4@35.189,147.691 ccw(c34.293,148.587) 35.56,148.587 ccw(c36.827,148.587) X8.B4@35.931,147.691 ; X7.4@35.189,152.029 cw(c34.293,151.133) 35.56,151.133 cw(c36.827,151.133) X7.4@35.931,152.029 ; X8.B4@35.295,147.585 ccw(c34.655,148.225) 35.56,148.225 ccw(c36.465,148.225) X8.B4@35.825,147.585 ; X7.4@35.295,152.135 cw(c34.655,151.495) 35.56,151.495 cw(c36.465,151.495) X7.4@35.825,152.135 ; X8.B4@35.56,147.32 X7.4@35.56,152.4